# Altium PCB cyber60-alps-b2.PcbDoc (part 1 of 4) (continued)
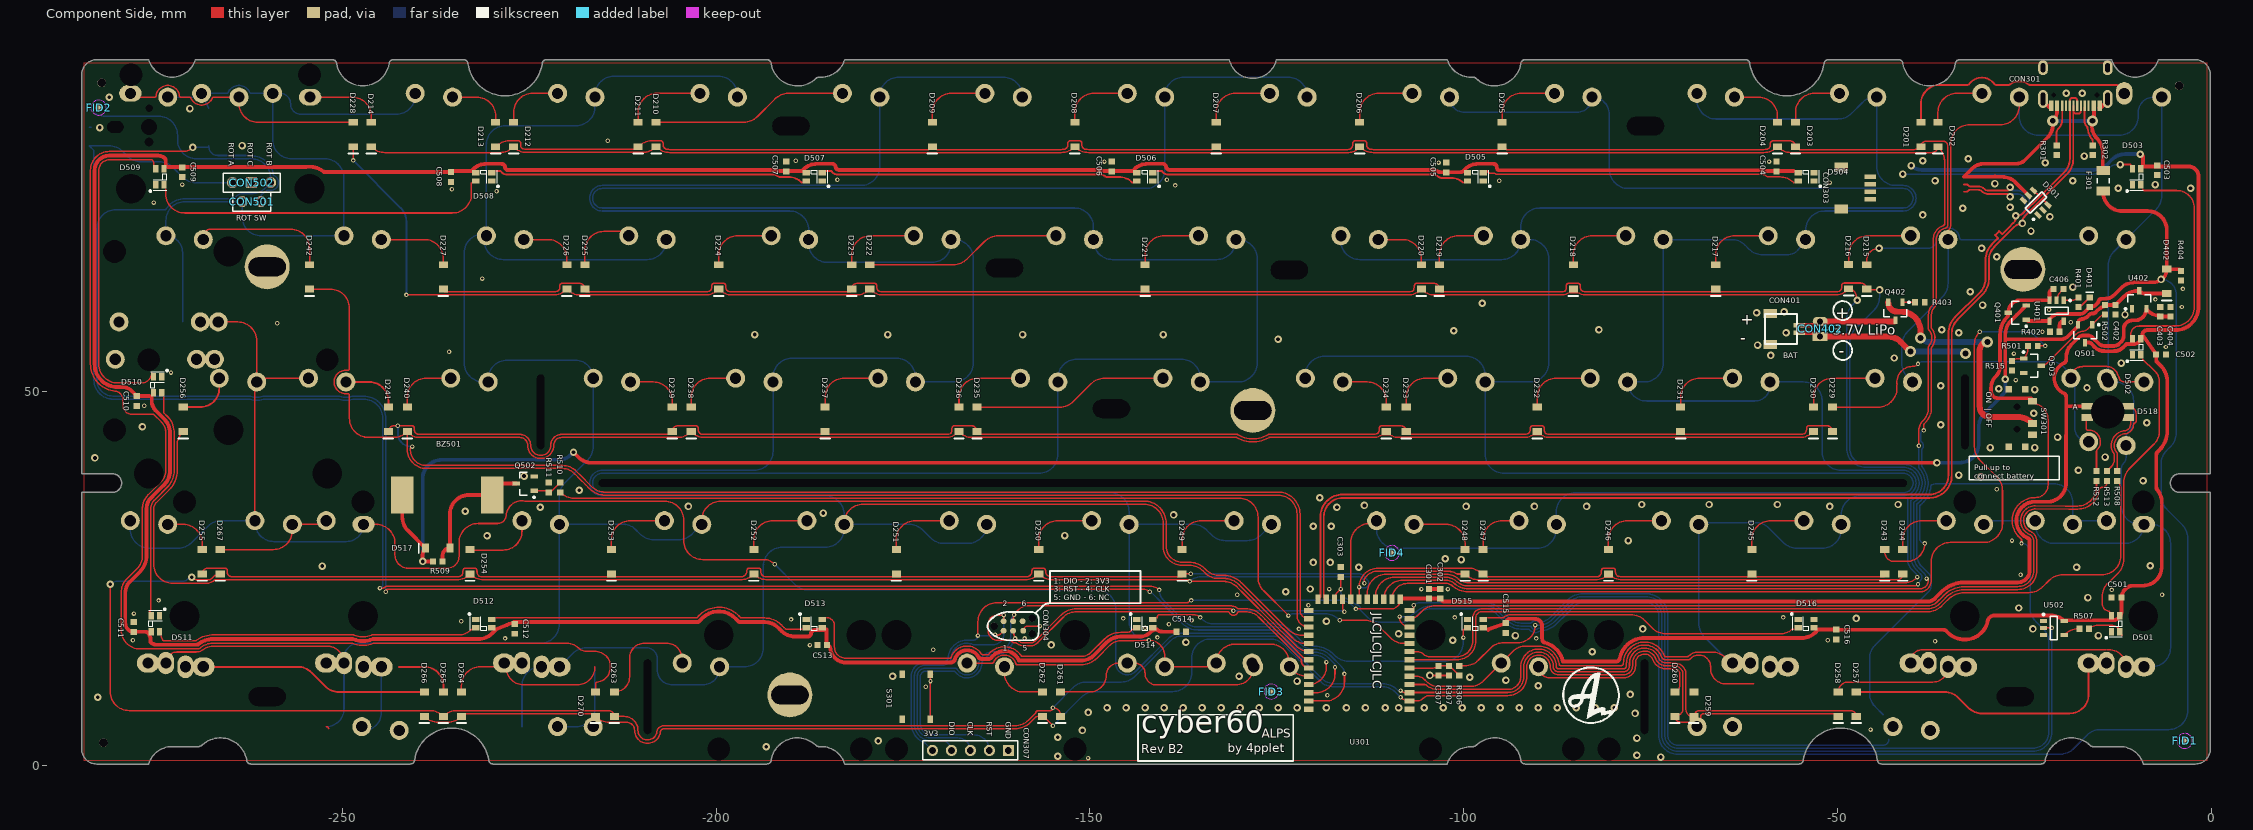
[diagram p0: Component Side view]
## Components (designator, comment, footprint, x,y, rotation, side; value= is the part's Value field where it differs from the comment) (continued)
S230 "MX" "Alps-switch - switched pol" -42.487,47.315 r180 bottom locked
S231 "MX" "Alps-switch - switched pol" -61.537,47.315 r180 bottom locked
S232 "MX" "Alps-switch - switched pol" -80.587,47.315 r180 bottom locked
S233 "MX" "Alps-switch - switched pol" -99.637,47.315 r180 bottom locked
S234 "MX" Alps-switch#2 -118.687,47.315 r180 bottom locked
S235 "MX" "Alps-switch - switched pol" -137.737,47.315 r180 bottom locked
S236 "MX" "Alps-switch - switched pol" -156.787,47.315 r180 bottom locked
S237 "MX" "Alps-switch - switched pol" -175.837,47.315 r180 bottom locked
S238 "MX" "Alps-switch - switched pol" -194.887,47.315 r180 bottom locked
S239 "MX" Alps-switch#2 -213.937,47.315 r180 bottom locked
S240 "MX" "Alps-switch - switched pol" -232.987,47.315 r180 bottom
S241 "MX" Alps-switch#2 -252.012,47.315 r180 bottom locked
S242 "MX" "ALPS-switch - 1.5U" -271.087,66.365 r180 bottom locked
S243 "MX" "ALPS-switch - Left shift v2" -21.056,28.265 r180 bottom locked
S244 "MX" "Alps-switch - switched pol" -32.96,28.265 r180 bottom locked
S245 "MX" "Alps-switch - switched pol" -52.012,28.265 r180 bottom locked
S246 "MX" "Alps-switch - switched pol" -71.062,28.265 r180 bottom locked
S247 "MX" "Alps-switch - switched pol" -90.112,28.265 r180 bottom locked
S248 "MX" Alps-switch#2 -109.162,28.265 r180 bottom locked
S249 "MX" "Alps-switch - switched pol" -128.212,28.265 r180 bottom locked
S250 "MX" "Alps-switch - switched pol" -147.262,28.265 r180 bottom locked
S251 "MX" "Alps-switch - switched pol" -166.312,28.265 r180 bottom locked
S252 "MX" "Alps-switch - switched pol" -185.362,28.265 r180 bottom locked
S253 "MX" "Alps-switch - switched pol" -204.412,28.265 r180 bottom locked
S254 "MX" "Alps-switch - switched pol" -223.462,28.265 r180 bottom locked
S255 "MX" Alps-switch#2 -275.85,28.265 r180 bottom
S256 "MX" "ALPS-SWITCH - ENTER - ROTATED STAB" -263.95,47.315 r180 bottom locked
S257 "MX" "ALPS-switch - 1.5u MOD-L" -13.912,9.215 r180 bottom locked
S258 "MX" "ALPS-switch - L_WIN - V3" -37.719,9.215 r180 bottom locked
S259 "MX" "ALPS-SWITCH - L_ALT - V3" -61.537,9.215 r180 bottom locked
S260 "MX" "ALPS-switch - L split space_V3" -102.018,9.215 r0 bottom locked
S261 "MX" "ALPS-switch - Space_V3" -142.499,9.215 r180 bottom locked
S262 "MX" "ALPS-switch - R split space_V3" -163.931,9.215 r0 bottom locked
S263 "MX" "Alps-switch - switched pol" -202.031,9.215 r180 bottom locked
S264 "MX" "ALPS-SWITCH - R_ALT - V3" -223.462,9.215 r180 bottom locked
S265 "MX" "ALPS-switch - R_WIN V3" -247.269,9.215 r180 bottom
S266 "MX" "ALPS-switch - 1.5u MOD-R" -271.087,9.215 r180 bottom locked
S267 "MX" "ALPS-switch - right shift - stabs" -259.18,28.265 r180 bottom locked
S301 "SW-PB" "XKB SWITCH" -173.228,9.215 r90 top
S302 "SW-PB" "XKB SWITCH" -173.228,9.215 r90 bottom locked
SW301 "Korean Hroparts Elec K3-1296S-E2" "Korean Hroparts Elec K3-1296S-E2" -26,46.5 r90 top
U301 "Holyiot-18010" "Holyiot-18010 - outer pads" -114,13.25 r180 top locked
U401 "TP4054 SOT23-5" SOT-23-5 -20.701,60.841 r270 top
U402 "XC6206P332MR - SOT23" SOT-23-3 -9.652,62.287 r90 top
U501 "EC-11 SMD" EC11-SMD -275.844,85.415 r90 bottom locked
U502 "SN74LV1T125" SOT-23-5 -21.082,18.415 r0 top

## Footprints (in the part's own frame and the unit in brackets; to place one, negate y for a bottom-side part, rotate by r counter-clockwise, add the part's x,y. Pads: shape width x height; smd on the part's side, far side on the other; paste and mask are expansions set on the pad)
Alps-switch#1 [mm]
  round 2.54 hole 1.499 mask+0.102: 1(-2.5,4)
  oval 2.2x3 hole 1.499 mask+0.102: 2(2.5,4.5)
  round 1 on Mech14: ""(0,0)
Alps-switch#2 [mm]
  round 2.54 hole 1.499 mask+0.102: 1(-2.5,4) 2(2.5,4.5)
  round 1 on Mech14: ""(0,0)
Alps-switch#3 [mm]
  oval 3x2.2 hole 1.499 mask+0.102: 1(-2.5,4)
  round 2.54 hole 1.499 mask+0.102: 2(2.5,4.5)
  round 1 on Mech14: ""(0,0)
"ALPS-switch - 1.5U" [mm]
  round 2.54 hole 1.499 mask+0.102: 1(-2.5,4) 2(2.5,4.5)
  round 1 on Mech14: ""(0,0)
"ALPS-switch - 1.5u MOD-L" [mm]
  oval 3x2.54 hole 1.499 mask+0.102: 1(-4.881,4) 2(2.5,4.5)
  oval 2.2x3 hole 1.499 mask+0.102: 1(-2.5,4) 2(0.119,4.5)
  round 1 on Mech14: ""(-2.381,0) ""(0,0)
"ALPS-switch - 1.5u MOD-R" [mm]
  oval 3x2.54 hole 1.499 mask+0.102: 1(-2.5,4) 2(4.881,4.5)
  oval 2.2x3 hole 1.499 mask+0.102: 1(-0.119,4) 2(2.5,4.5)
  round 1 on Mech14: ""(0,0) ""(2.381,0)
"ALPS-switch - backspace" [mil]
  round 100 hole 59 mask+4: 1(98.43,177.17) 1(276.57,157.48) 2(-98.43,157.48)
  oval 118.11x86.61 hole 59 mask+4: 2(473.43,177.17)
  round 60 hole 157.01 unplated: ""(-470,-325) ""(470,-325)
  round 60 hole 120 unplated: ""(-470,275) ""(470,275)
  round 39.37 on Mech14: ""(0,0) ""(375,0)
"ALPS-switch - CAPS" [mm]
  round 2.54 hole 1.499 mask+0.102: 1(-7.263,4) 1(0.119,-4) 1(2.5,4.5) 2(-4.881,-4.5) 2(-2.5,4) 2(-2.262,4.5)
  round 1 on Mech14: ""(-4.763,0) ""(-2.381,0) ""(0,0)
"ALPS-SWITCH - ENTER - ROTATED STAB" [mil]
  round 100 hole 59 mask+4: 1(-98.43,157.48) 1(104.28,473.62) 1(198.03,473.62) 1(626.43,473.62) 2(98.43,177.17) 2(123.97,276.77) 2(217.72,276.77) 2(646.11,276.77)
  round 60 hole 157.01 unplated: ""(-470,-325) ""(50.2,-94.8) ""(50.2,845.2) ""(470,-325)
  round 60 hole 120 unplated: ""(-470,275) ""(470,275) ""(650.2,-94.8) ""(650.2,845.2)
  round 39.37 on Mech14: ""(0,0) ""(281.45,375.2) ""(375.2,375.2) ""(468.95,375.2)
"ALPS-switch - L split space_V3" [mil]
  round 100 hole 59 mask+4.02: 1(473.43,-157.48) 2(276.57,-177.17)
  round 60 hole 157.01 unplated: ""(-95,-325)
  round 60 hole 120 unplated: ""(-95,275)
  round 39.37 on Mech14: ""(375,0)
"ALPS-SWITCH - L_ALT - V3" [mm]
  oval 3x2.54 hole 1.499 mask+0.102: 1(-4.881,4) 2(2.5,4.5)
  oval 2.2x3 hole 1.499 mask+0.102: 1(-2.5,4) 2(0.119,4.5)
  round 2.54 hole 1.499 mask+0.102: 1(2.5,-4) 2(7.263,-4)
  round 1 on Mech14: ""(-2.381,0.048) ""(0,0) ""(4.763,0)
"ALPS-switch - L_WIN - V3" [mm]
  oval 3x2.54 hole 1.499 mask+0.102: 1(-4.881,4) 2(2.5,4.5)
  oval 2.2x3 hole 1.499 mask+0.102: 1(-2.5,4) 2(0.119,4.5)
  round 2.54 hole 1.499 mask+0.102: 1(-0.119,-4.5) 2(4.881,-4)
  round 1 on Mech14: ""(-2.381,0) ""(0,0) ""(2.381,0)
"ALPS-switch - Left shift v2" [mil]
  oval 118.11x86.61 hole 59 mask+4.02: 1(-473.43,157.48)
  round 100 hole 59 mask+4.02: 1(98.43,177.17) 2(-276.57,177.17) 2(-98.43,157.48)
  round 60 hole 157.01 unplated: ""(-470,-325) ""(470,-325)
  round 60 hole 120 unplated: ""(-470,275) ""(470,275)
  round 39.37 on Mech14: ""(-375,0) ""(0,0)
"ALPS-switch - R split space_V3" [mil]
  round 100 hole 59 mask+4.02: 1(98.43,-157.48) 2(-98.43,-177.17)
  round 60 hole 157.01 unplated: ""(-470,-325) ""(470,-325)
  round 60 hole 120 unplated: ""(-470,275) ""(470,275)
  round 39.37 on Mech14: ""(0,0)
"ALPS-SWITCH - R_ALT - V3" [mm]
  round 2.54 hole 1.499 mask+0.102: 1(-7.025,-4) 2(-2.262,-4)
  oval 3x2.54 hole 1.499 mask+0.102: 1(-2.5,4) 2(4.881,4.5)
  oval 2.2x3 hole 1.499 mask+0.102: 1(-0.119,4) 2(2.5,4.5)
  round 1 on Mech14: ""(-4.763,0) ""(0,0) ""(2.381,0)
"ALPS-switch - R_WIN V3" [mm]
  round 2.54 hole 1.499 mask+0.102: 1(-4.881,-4.5) 2(0.119,-4)
  oval 3x2.54 hole 1.499 mask+0.102: 1(-2.5,4) 2(4.881,4.5)
  oval 2.2x3 hole 1.499 mask+0.102: 1(-0.119,4) 2(2.5,4.5)
  round 1 on Mech14: ""(-2.381,0) ""(0,0) ""(2.381,0)
"ALPS-switch - right shift - stabs" [mil]
  round 100 hole 59 mask+4: 1(-276.57,177.17) 1(-98.43,157.48) 2(98.43,177.17)
  oval 118.11x86.61 hole 59 mask+4: 2(-473.43,157.48)
  round 60 hole 157.01 unplated: ""(-470,-325) ""(470,-325)
  round 60 hole 120 unplated: ""(-470,275) ""(470,275)
  round 39.37 on Mech14: ""(-375,0) ""(0,0)
"ALPS-switch - Space_V3" [mil]
  round 100 hole 59 mask+4: 1(-754.97,157.48) 1(-370.32,177.17) 1(-98.43,157.48) 2(-567.18,157.48) 2(-558.12,177.17) 2(98.43,177.17)
  round 60 hole 120 unplated: ""(-2437.4,-275) ""(-2250,-275) ""(1499.61,-275) ""(2250,-275)
  round 60 hole 157.01 unplated: ""(-2437.4,325) ""(-2250,325) ""(1499.61,325) ""(2250,325)
  round 39.37 on Mech14: ""(-656.55,0) ""(-468.75,0) ""(0,0)
"Alps-switch - switched pol" [mm]
  round 2.54 hole 1.499 mask+0.102: 1(2.5,4.5) 2(-2.5,4)
  round 1 on Mech14: ""(0,0)
"buzzer 12x12" [mm] "Buzzer"
  rect 3x5 smd: 1(-6,0) 2(6,0)
  body extent -6,-6 6,6, height 3.05
C0603[1608] [mm] "Chip Resistor, 2-Leads, Body 1,57x0,80mm, IPC Medium Density"
  rect 0.8x0.85 smd: 1(-0.65,0) 2(0.65,0)
  body extent -0.83,-0.43 0.82,0.43, height 0.5
C1206[3216] [mm]
  rect 1.2x1.8 smd: 1(-1.35,0) 2(1.35,0)
  silkscreen extent -0.35,-0.8 0.35,0.8, body extent -1.6,-0.9 1.6,0.9, height 1.2
EC11-SMD [mm]
  rect 1.5x2 smd: 1(-2.5,8) 2(2.5,8) A(-2.5,-8) B(2.5,-8) C(0,-8)
  rect 2.5x3 smd: M(-6.75,0)
  rect 2.5x2.2 smd: M(6.75,0.508)
  round 0 hole 1.2 unplated: ""(-2,0)
  round 0 hole 1.6 slot 2.2 at 90 deg unplated: ""(0,-4.5)
  round 0 hole 2.1 unplated: ""(0,0)
  round 0 hole 1 unplated: ""(2.5,0)
  body extent -7.5,-8.5 7.5,8.5, height 19.5
Fiducial_Nordic [mm]
  round 1 smd paste+0 mask+0.5: 0(0,0)
  Component Side keep-out circle w0.01: c0,0 r1
HDR1X2 [mm] "Connector; Header; 2 Position"
  round 1.5 hole 0.9: 1(0,0) 2(2.54,0)
  silkscreen extent -1.27,-1.27 3.81,1.27
HDR1X3 [mm] "Connector; Header; 3 Position"
  round 1.5 hole 0.9: 1(0,0) 3(5.08,0)
  rect 1.5x1.5 hole 0.9: 2(2.54,0)
  silkscreen extent -1.27,-1.27 6.35,1.27
HDR1X5 [mm] "Connector; Header; 5 Position"
  rect 1.5x1.5 hole 0.9: 1(0,0)
  round 1.5 hole 0.9: 2(2.54,0) 3(5.08,0) 4(7.62,0) 5(10.16,0)
  silkscreen extent -1.27,-1.27 11.43,1.27
"Holyiot-18010 - outer pads" [mm] "Holyiot long range Nordic nRF52840 chipset BLE module Ceramic Antenna Bluetooth low Energy for Bluetooth mesh"
  rect 1.3x0.7 smd: 1(-6.75,5.7) 2(-6.75,4.6) 3(-6.75,3.5) 4(-6.75,2.4) 5(-6.75,1.3) 6(-6.75,0.2) 7(-6.75,-0.9) 8(-6.75,-2) 9(-6.75,-3.1) 10(-6.75,-4.2) 11(-6.75,-5.3) 12(-6.75,-6.4) 13(-6.75,-7.5) 25(6.75,-7.5) 26(6.75,-6.4) 27(6.75,-5.3) 28(6.75,-4.2) 29(6.75,-3.1) 30(6.75,-2) 31(6.75,-0.9) 32(6.75,0.2) 33(6.75,1.3) 34(6.75,2.4) 35(6.75,3.5) 36(6.75,4.6) 37(6.75,5.7)
  rect 0.7x1.3 smd: 14(-5.5,-9) 15(-4.4,-9) 16(-3.3,-9) 17(-2.2,-9) 18(-1.1,-9) 19(0,-9) 20(1.1,-9) 21(2.2,-9) 22(3.3,-9) 23(4.4,-9) 24(5.5,-9)
  body extent -6.75,-9 6.75,9, height 1.92
"JST S2B-PH-K(LF)(SN)" [mm]
  oval 1.25x2 hole 0.8: 1(1,0)
  rect 1.25x2 hole 0.8: 2(-1,0)
  body extent -2.95,-1.35 2.95,6.25, height 4.8
"JST SM02B-SRSS-TB" [mm]
  rect 0.6x1.55 smd: 1(-0.5,0) 2(0.5,0)
  rect 1.2x1.8 smd: 3(-2.1,-3.875) 3(2.1,-3.875)
  silkscreen extent -2,-4.57 2,-0.33, body extent -1.99,-4.58 1.99,0.41, height 3
"JST SM04B-SRSS-TB" [mm]
  rect 0.6x1.55 smd: 1(-1.5,3.875) 2(-0.5,3.875) 3(0.5,3.875) 4(1.5,3.875)
  rect 1.2x1.8 smd: 5(-2.8,0) 5(2.8,0)
  body extent -3.01,-0.76 2.99,4.19, height 3.25
"Korean Hroparts Elec K3-1296S-E2" [mm]
  rect 0.9x1.25 smd: 1(2.25,-2.075) 2(-0.75,-2.075) 3(-2.25,-2.075)
  rect 0.9x0.9 smd: M(-3.85,-1.1) M(-3.85,1.1) M(3.85,-1.1) M(3.85,1.1)
  round 0 hole 0.9 unplated: ""(-1.5,0) ""(1.5,0)
  body extent -3.85,-2.2 3.85,2.7, height 1.45
LED0603[1608] [mm] "Chip Resistor, 2-Leads, Body 1,57x0,80mm, IPC Medium Density"
  rect 0.8x0.85 smd: 1(-0.65,0) 2(0.65,0)
  silkscreen extent 1.37,-0.51 1.37,0.53, body extent -0.77,-0.4 0.83,0.4, height 0.8
"QT QBLP677R-RGB" [mm]
  rect 1.5x0.9 smd: 1(-2.75,-0.75) 2(2.75,-0.75) 3(2.75,0.75) 4(-2.75,0.75)
  round 1 hole 4.5 unplated: ""(0,0)
  body extent -2.94,-1.4 2.94,1.4, height 0.94
R0603[1608] [mm] "Chip Resistor, 2-Leads, Body 1,57x0,80mm, IPC Medium Density"
  rect 0.8x0.85 smd: 1(-0.65,0) 2(0.65,0)
  body extent -0.83,-0.43 0.82,0.43, height 0.5
SOD-123 [mm]
  rect 0.91x1.22 smd: 1(1.635,0) 2(-1.635,0)
  silkscreen extent -2.54,-0.64 -2.54,0.63, body extent -1.87,-0.85 1.88,0.85, height 1.2
SOT-23-3 [mm] "3.3v regulator, used in Windsond S2 proto 1"
  rect 1x0.55 smd: 1(-1.2,0.95) 2(-1.2,-0.95) 3(1.2,0)
  silkscreen extent -1.33,-1.55 0.7,1.95, body extent -1.45,-1.5 1.1,1.5, height 1
SOT-23-5 [mm]
  rect 1x0.55 smd: 1(-1.375,0.95) 2(-1.375,0) 3(-1.375,-0.95) 4(1.375,-0.95) 5(1.375,0.95)
  silkscreen extent -1.5,-1.55 0.46,1.93, body extent -1.63,-1.5 1.58,1.5, height 0.92
SOT-23-6 [mm]
  rect 1x0.55 smd: 1(-1.375,0.95) 2(-1.375,0) 3(-1.375,-0.95) 4(1.375,-0.95) 5(1.375,0) 6(1.375,0.95)
  silkscreen extent -1.5,-1.55 0.46,1.92, body extent -1.37,-1.44 1.47,1.49, height 1.05
TC2030-IDC-NL [mm] "Tag-Connect 6-Pin with No Legs (PN# TC2030-IDC-NL)"
  round 0.9 hole 0.995 unplated: 0(-2.54,0) 0(2.54,-1.016) 0(2.54,1.016)
  round 0.79 smd paste-0.39: 1(-1.27,-0.635) 2(-1.27,0.635) 3(0,-0.635) 4(0,0.635) 5(1.35,-0.635) 6(1.27,0.635)
  silkscreen extent -3.43,-1.91 3.43,1.9
TYPE-C-31-M-12 [mm]
  rect 0.6x1.45 smd: A1B12(-3.25,0) A4B9(-2.45,0) B1A12(3.25,0) B4A9(2.45,0)
  rect 0.3x1.45 smd: A5(-1.25,0) A6(-0.25,0) A7(0.25,0) A8(1.25,0) B5(1.75,0) B6(0.75,0) B7(-0.75,0) B8(-1.75,0)
  oval 1.3x2.4 hole 0.6 slot 1.7 at 90 deg: S1(-4.32,-0.915) S1(4.32,-0.915)
  oval 1.3x2 hole 0.6 slot 1.2 at 90 deg: S1(-4.32,-5.095) S1(4.32,-5.095)
  round 0 hole 0.65 unplated: ""(-2.89,-1.445) ""(2.89,-1.445)
  body extent -4.47,-7.72 4.47,0.18, height 3.21
"WS2812B - 2020" [mm]
  rect 1x0.7 smd: 1(-1.065,-0.55) 2(1.065,-0.55) 3(1.065,0.55) 4(-1.065,0.55)
  silkscreen extent -0.38,-1.39 2.03,0.89, body extent -1.1,-1 1.1,1, height 0.86
"XKB SWITCH" [mm] "XKB Enterprise TS-1187A-C-D-B"
  rect 1x0.75 smd: 1(-3,1.875) 1(3,1.875) 2(-3,-1.875) 2(3,-1.875)
  body extent -3.25,-2.55 3.25,2.55, height 2

## Part data
BZ501: library part Speaker, "Loudspeaker", LCSC MFG=Fengming, LCSC Part #=C409829, MRF.Part=YS-SBZ1230
C301 C402 C404 C406: library part Cap, "Capacitor", LCSC MFG="Samsung Electro-Mechanics", LCSC Part #=C19666, MRF.Part=CL10A475KO8NNNC
C302 C303 C501 C502 C503 C504 C505 C506 C507 C508 C509 C510 C511 C512 C513 C514 C515 C516: library part Cap, "Capacitor", LCSC MFG=YAGEO, LCSC Part #=C14663, MFG=KEMET, MFGPN=C0603C104M5RACTU, MRF.Part=CC0603KRX7R9BB104, Version="0603 imperial"
C307: library part Cap, "Capacitor", Version="0603 imperial"
C403: library part Cap, "Capacitor", LCSC MFG="Samsung Electro-Mechanics", LCSC Part #=C15849, MFG=KEMET, MFGPN=C0603C104M5RACTU, MRF.Part=CL10A105KB8NNNC, Version="0603 imperial"
CON301: LCSC MFG="Korean Hroparts Elec", LCSC Part #=C165948, MFG="Korean Hroparts Elec", MFGPN=TYPE-C-31-M-12, MRF.Part=TYPE-C-31-M-12
CON303: "JST for USB daughter board", LCSC MFG="JST Sales America", LCSC Part #=C160404, MFG="JST Sales America Inc.", MFGPN=SM04B-SRSS-TB(LF)(SN), MRF.Part=SM04B-SRSS-TB(LF)(SN)
CON304: library part "Header 3X2", "Header, 3-Pin, Dual row"
CON307: "Header, 5-Pin"
CON401: library part "JST S2B-PH-SM4-TB", LCSC MFG="JST Sales America", LCSC Part #=C160402, MRF.Part=SM02B-SRSS-TB(LF)(SN)
CON402: library part "Header 2", "Header, 2-Pin", LCSC MFG="JST Sales America", LCSC Part #=C265016, MRF.Part=S2B-PH-K(LF)(SN)
CON501: "Header, 2-Pin"
CON502: "Header, 3-Pin"
D201 D202 D203 D204 D205 D206 D207 D208 D209 D210 D211 D212 D213 D214 D215 D216 D217 D218 D219 D220 D221 D222 D223 D224 D225 D226 D227 D228 D229 D230 D231 D232 D233 D234 D235 D236 D237 D238 D239 D240 D241 D242 D243 D244 D245 D246 D247 D248 D249 D250 D251 D252 D253 D254 D255 D256 D257 D258 D259 D260 D261 D262 D263 D264 D265 D266 D267 D270: "Default Diode", LCSC MFG=ST(Semtech), LCSC Part #=C81598, MRF.Part=1N4148W, Version=SOD-123
D301: LCSC MFG="ProTek Devices", LCSC Part #=C85364, MRF.Part=SRV05-4-P-T7
D401: "Typical INFRARED GaAs LED", LCSC MFG="Everlight Elec", LCSC Part #=C72038, MRF.Part=19-213/Y2C-CQ2R2L/3T(CY)
D402: "Default Diode", LCSC MFG="Changjiang Electronics Tech (CJ)", LCSC Part #=C8598, MRF.Part=B5819W, Version=SOD-123
D501 D502 D503 D504 D505 D506 D507 D508 D509 D510 D511 D512 D513 D514 D515 D516: library part WS2812B, LCSC MFG=Worldsemi, LCSC Part #=C965556, MRF.Part=WS2812C-2020
D517: library part Diode, "Default Diode", LCSC MFG="Changjiang Electronics Tech (CJ)", LCSC Part #=C8598, MRF.Part=B5819W, Version=SOD-123
D518: "RGB LED", MFG="QT Brightek (QTB)", MFGPN=QBLP677R-RGB, Version="Common Anode RGB LED"
F301: "Thermal Fuse", LCSC MFG="Shenzhen JDT Fuse", LCSC Part #=C135338, MFG="Bel Fuse Inc.", MFGPN=0ZCJ0050FF2G, MRF.Part=ASMD1206-050
Q401 Q402: "P-Channel Power MOSFET", LCSC MFG="Vishay Intertech", LCSC Part #=C10487, MRF.Part=SI2301CDS-T1-GE3
  Q401: Note="Pin 4 not drawn and electrically connected to Pin 2."
  Q402: Version=SOT23-3
Q501: library part PMOS-2, "P-Channel Power MOSFET", LCSC MFG="Vishay Intertech", LCSC Part #=C10487, MRF.Part=SI2301CDS-T1-GE3, Note="Pin 4 not drawn and electrically connected to Pin 2."
Q502 Q503: library part MOSFET-N, "N-Channel MOSFET", LCSC MFG="Changjiang Electronics Tech (CJ)", LCSC Part #=C8545, MRF.Part=2N7002
R301 R302 R402: "Resistor", LCSC MFG="Uniroyal Elec", LCSC Part #=C23186, MFG="Panasonic Electronic Components", MFGPN=ERJ-3EKF5101V, MRF.Part=0603WAF5101T5E, Version="0603 imperial"
R306: "Resistor", LCSC MFG="Uniroyal Elec", LCSC Part #=C22935, MRF.Part=0603WAF1004T5E, Version="0603 imperial"
R307 R502: "Resistor", LCSC MFG="Uniroyal Elec", LCSC Part #=C22976, MRF.Part=0603WAF2004T5E, Version="0603 imperial"
R401: "Resistor", LCSC MFG="UNI-ROYAL(Uniroyal Elec)", LCSC Part #=C23179, MFG="Panasonic Electronic Components", MFGPN=ERJ-3EKF5101V, MRF.Part=0603WAF4700T5E, Version="0603 imperial"
R403: "Resistor", LCSC MFG="Uniroyal Elec", LCSC Part #=C25804, MFG="Panasonic Electronic Components", MFGPN=ERJ-3EKF5101V, MRF.Part=0603WAF1002T5E, Version="0603 imperial"
R404 R511 R515: "Resistor", LCSC MFG="Uniroyal Elec", LCSC Part #=C25803, MRF.Part=0603WAF1003T5E, Version="0603 imperial"
R501 R507 R508 R510 R512 R513: "Resistor", LCSC MFG="Uniroyal Elec", LCSC Part #=C23138, MRF.Part=0603WAF3300T5E, Version="0603 imperial"
R509: "Resistor", LCSC MFG="Uniroyal Elec", LCSC Part #=C23228, MRF.Part=0603WAF6800T5E, Version="0603 imperial"
S201 S202 S203 S204 S205 S206 S207 S208 S209 S210 S211 S212 S213 S214 S216 S217 S218 S219 S220 S221 S222 S223 S224 S225 S226 S227 S228 S229 S230 S231 S232 S233 S234 S235 S236 S237 S238 S239 S240 S241 S242 S243 S244 S245 S246 S247 S248 S249 S250 S251 S252 S253 S254 S255 S256 S257 S258 S259 S260 S261 S262 S263 S264 S265 S266 S267: library part SW-PB, "Switch"
S215: library part SW-PB, "TAB"
S301 S302: "Switch", LCSC MFG="XKB Enterprise", LCSC Part #=C318888, MFG=C&K, MFGPN="PTS645SM43SMTR92 LFS", MRF.Part=TS-1187A-C-D-B
SW301: LCSC MFG="Korean Hroparts Elec", LCSC Part #=C136659, MFGPN=K3-1296S-E2
U401: library part MCP73831, LCSC MFG="Nanjing Extension Microelectronics", LCSC Part #=C32574, MRF.Part=TP4054
U402: library part "SOT23 LDO", LCSC MFG="Torex Semicon", LCSC Part #=C5446, MFG="Texas Instruments", MFGPN=TPS7A0533PDBZ, MRF.Part=XC6206P332MR
U501: library part EC-11
U502: "SN74LV1T125 or SN74LV1T34. Connect OE to GND", LCSC MFG="Texas Instruments", LCSC Part #=C473338, MRF.Part=SN74LV1T125DBVR, Version=SOT-23
U301: MFG=HolyIOT, MFGPN=18010

## Free pads (board coordinates)
  round 1.152 hole 1.152 unplated paste+0.148 mask+0.148: ""(-282.194,91.313) ""(-281.94,3.048) ""(-4.318,90.932)
  round 0 hole 2.5 slot 5 at 0 deg unplated: ""(-260.05,9.215) ""(-189.992,85.542) ""(-161.423,66.548) ""(-147.123,47.742) ""(-123.323,66.294) ""(-75.692,85.542) ""(-26.25,9.215)
  round 6 hole 2.5 slot 5 at 0 deg: ""(-260.05,66.715) ""(-190.119,9.45) ""(-128.212,47.5) ""(-25.2,66.365)
  round 0 hole 1 slot 10 at 90 deg unplated: ""(-223.462,47.315) ""(-209.169,9.215) ""(-75.819,9.215) ""(-75.819,9.215) ""(-32.962,47.315)
  round 0 hole 1 slot 175 at 0 deg unplated: ""(-128.212,37.79)

## Via types
v1: diameter 1, hole 0.5, Component Side to Bottom Layer, tented both sides, 172 vias
v2: diameter 0.6, hole 0.3, Component Side to Bottom Layer, tented both sides, 113 vias
v3: diameter 1.5, hole 0.8, Component Side to Bottom Layer, tented both sides, 4 vias
v4: diameter 1.5, hole 0.75, Component Side to Bottom Layer, tented both sides, 2 vias

## Nets (pads, with @x,y where several pads share a name; then routed paths per layer and width w, separated by ;. In a path a pad name is that pad's centre, name@x,y a point inside that pad or via, vN(x,y) a via of type N, cw(c..) or ccw(c..) an arc to the next point about the centre after c; other vN are vias at no path point)
col1: S201.1 S202.2 S215.1 S216.2 S229.2 S230.2 S243.1 S244.2 S257.1 S258.2 U301.4 | length 277.6
  Component Side w0.203: U301.4@-107.25,10.85 -105.217,10.85 cw(c-105.216,10.647) -105.085,10.802 ccw(c-103.386,12.819) -103.386,10.182 -94.107,10.182 ccw(c-94.107,11.916) -92.457,11.385 ccw(c-94.107,11.916) -92.373,11.916 -92.373,13.335 cw(c-90.932,13.335) -92.303,13.781 cw(c-89.993,13.215) -91.479,15.071 ccw(c-91.606,15.23) -91.44,15.113 ccw(c-91.509,15.304) -91.39,15.14 cw(c-89.993,13.215) -88.788,15.265 cw(c-89.993,13.215) -87.758,14.027 cw(c-89.993,13.215) -87.615,13.207 ccw(c-87.371,13.208) -87.544,13.037 ccw(c-87.371,13.208) -87.371,12.965 -78.604,12.965 ccw(c-78.604,13.335) -78.296,13.128 ccw(c-78.604,13.335) -78.233,13.335 -78.233,13.715 cw(c-75.819,13.715) -78.229,13.858 cw(c-75.819,13.715) -78.066,14.598 ; -77.75,15.164 ccw(c-75.819,13.715) -78.066,14.598 ; -61.214,10.922 -64.897,10.922 cw(c-64.897,13.016) -66.991,13.016 -66.991,13.18 ccw(c-68.562,13.215) -67.05,13.644 ccw(c-68.562,13.215) -69.753,14.241 cw(c-69.907,14.373) -69.905,14.17 cw(c-69.907,14.373) -69.907,14.17 -72.39,14.17 -72.993,14.17 cw(c-72.991,14.776) -72.995,14.17 cw(c-72.991,14.776) -73.558,14.561 ccw(c-75.819,13.715) -78.066,14.598 ; S258.2@-40.201,13.961 cw(c-38.647,13.961) -38.647,15.515 -14.098,15.515 ; S216.2@-35.225,70.365 -35.225,71.499 cw(c-35.022,71.499) -35.152,71.655 ccw(c-35.639,72.236) -34.881,72.236 -34.881,83.185 cw(c-32.341,83.185) -32.341,85.725 -28.24,85.725 ccw(c-28.24,88.265) -25.7,88.265 S202.2@-25.7,89.415 ; -13.96,15.515 -13.713,15.515 cw(c-13.713,13.215) S257.1@-11.412,13.215
  Bottom Layer w0.203: S230.2@-39.651,51.651 S230.2@-39.987,51.315 -40.658,51.986 cw(c-38.862,53.782) -41.402,53.782 -41.402,56.225 cw(c-38.862,56.225) -40.658,58.021 -35.969,62.71 ccw(c-37.765,64.506) -35.225,64.506 S216.2@-35.225,70.365 ; S244.2@-29.673,31.478 S244.2@-30.46,32.265 cw(c-29.96,32.265) -29.96,32.765 S243.1@-23.556,32.765 -23.556,32.258 ccw(c-21.016,32.258) -21.016,29.718 -11.571,29.718 ccw(c-11.571,32.258) -9.031,32.258 S243.1@-9.031,32.265 ; S202.2@-25.7,89.415 -25.7,86.868 ccw(c-23.16,86.868) -23.16,84.328 -12.319,84.328 ccw(c-12.319,86.868) -9.779,86.868 -9.779,87.376 cw(c-7.74,87.376) -7.74,89.415 S201.1@-6.65,89.415 -6.65,76.18 cw(c-9.19,76.18) -7.394,74.384 S215.1@-11.412,70.365 -13.05,68.728 ccw(c-11.254,66.932) -13.794,66.932 S229.2@-13.794,51.315 -12.954,51.315 cw(c-12.954,48.775) -10.414,48.775 -10.414,46.237 cw(c-12.582,46.237) -11.049,44.704 ccw(c-10.171,43.826) -11.412,43.826 S229.2@-11.412,42.815 -11.412,41.168 cw(c-12.339,41.168) -11.684,40.513 ccw(c-10.764,39.593) -12.065,39.593 -12.065,34.805 ccw(c-9.525,34.805) -9.525,32.265 S243.1@-9.031,32.265 ; S257.1@-9.031,13.215 -8.001,13.215 ccw(c-8.001,15.755) -5.461,15.755 -5.461,29.725 ccw(c-8.001,29.725) -8.001,32.265 S243.1@-9.031,32.265
  Bottom Layer w0.254: S243.1@-23.624,33.373 S243.1@-23.596,33.345
col2: S203.2 S204.2 S217.2 S218.2 S231.2 S232.2 S245.2 S246.2 S259.2 S260.2 U301.5 | length 266.7
  Component Side w0.203: U301.5@-107.25,11.95 -106.322,11.95 cw(c-106.322,10.391) -106.129,11.938 cw(c-106.322,10.391) -105.22,11.493 -104.965,11.239 ccw(c-103.386,12.819) -103.386,10.585 -99.175,10.585 ccw(c-99.175,13.125) -97.379,11.329 S260.2@-94.993,13.715 -93.457,15.251 cw(c-91.661,13.455) -91.661,15.995 -90.085,15.995 ccw(c-90.085,16.198) -90.08,15.995 ; -90.079,15.995 cw(c-89.993,13.215) -89.905,15.995 ; -89.904,15.995 cw(c-89.993,13.215) -87.981,15.136 cw(c-89.993,13.215) -87.279,13.823 cw(c-89.993,13.215) -87.232,13.547 ccw(c-87.03,13.571) -87.03,13.368 -86.487,13.368 -78.984,13.368 ccw(c-78.984,13.715) -78.637,13.715 cw(c-75.819,13.715) -78.441,14.746 cw(c-75.819,13.715) -78.057,15.427 cw(c-75.819,13.715) -76.114,16.517 ; -76.114,16.517 cw(c-75.819,13.715) -73.897,15.775 cw(c-75.819,13.715) -73.181,14.705 ccw(c-72.991,14.776) -72.993,14.573 -72.009,14.573 -70.08,14.573 ccw(c-70.08,14.776) -69.939,14.631 cw(c-68.562,13.215) -68.557,15.19 -66.826,15.19 cw(c-66.826,12.65) -65.03,14.446 S259.2@-63.799,13.215 ; -68.58,15.19 cw(c-68.562,13.215) -68.559,15.19
  Bottom Layer w0.203: S204.2@-68.8,89.915 -68.8,89.027 ccw(c-66.26,89.027) -66.26,86.487 -49.947,86.487 ccw(c-49.947,89.027) -48.151,87.231 -46.711,88.671 cw(c-44.915,86.875) -44.915,89.415 S203.2@-44.75,89.415 -44.75,80.14 ccw(c-42.21,80.14) -42.21,77.6 -41.212,77.6 cw(c-41.212,75.89) -41.212,74.18 -51.735,74.18 ccw(c-51.735,71.64) -54.275,71.64 S217.2@-54.275,70.365 -54.737,70.365 cw(c-56.776,70.365) -56.776,68.326 -60.035,68.326 cw(c-60.035,70.866) -61.831,69.07 -62.382,69.621 ccw(c-64.178,67.825) -64.178,70.365 S218.2@-73.325,70.365 -73.325,53.855 cw(c-75.865,53.855) -75.865,51.315 S232.2@-78.087,51.315 -78.087,51.308 ccw(c-75.547,51.308) -75.547,48.768 -61.087,48.768 ccw(c-61.087,50.818) -59.278,49.855 ccw(c-61.087,50.818) -59.037,50.818 S231.2@-59.037,51.315 -54.61,51.315 cw(c-54.61,48.775) -52.07,48.775 -52.07,42.04 ccw(c-49.53,42.04) -52.065,41.885 ccw(c-49.53,42.04) -49.53,39.5 -46.228,39.5 -41.212,39.5 cw(c-41.212,37.79) -41.212,36.08 -46.985,36.08 ccw(c-46.985,33.54) -49.525,33.54 -49.525,32.265 S245.2@-49.512,32.265 -49.512,31.623 cw(c-52.052,31.623) -52.052,29.083 -55.463,29.083 cw(c-55.463,31.623) -57.259,29.827 -59.2,31.768 ccw(c-60.996,29.972) -60.996,32.512 -68.453,32.512 -68.453,32.374 cw(c-68.562,32.374) S246.2@-68.562,32.265 -68.562,19.03 ccw(c-66.022,19.03) -67.818,17.234 S259.2@-63.799,13.215